# Altium PCB Kame_FMU.PcbDoc (part 2 of 2)
Units mm, origin at the board's own origin, x right, y up, seen from the top; angles counter-clockwise.
Board outline 31 x 31 mm, 6 copper layers (Top, GND2, L3, L4, GND5, Bottom), stack 1.578 mm thick; 102 components, 158 nets, 567 pads, 386 vias.
Unrouted connection lines stored in the file: 87.
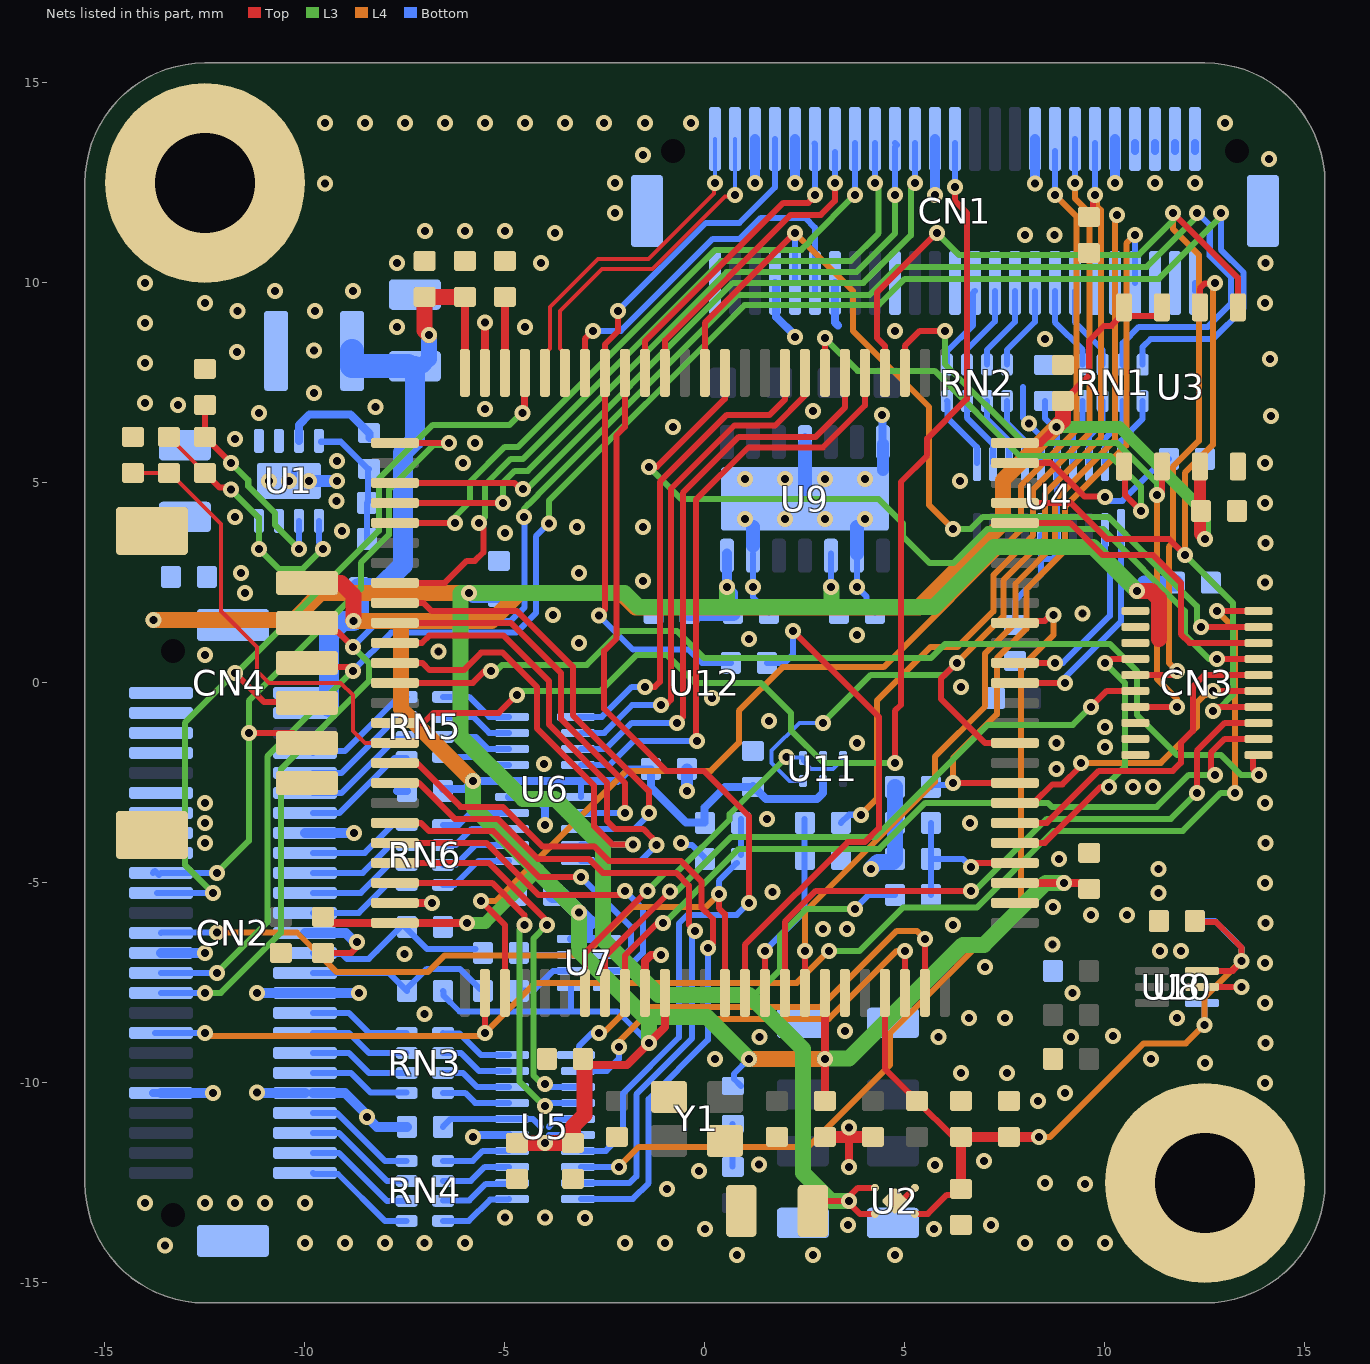
[diagram p6: the nets of this part, all layers, seen from the top]

## Via types
v1: diameter 0.4, hole 0.2, Top to Bottom, tented both sides, 375 vias
v2: diameter 0.4, hole 0.2, Top to Bottom, 11 vias

## Nets (pads, with @x,y where several pads share a name; then routed paths per layer and width w, separated by ;. In a path a pad name is that pad's centre, name@x,y a point inside that pad or via, vN(x,y) a via of type N, cw(c..) or ccw(c..) an arc to the next point about the centre after c; other vN are vias at no path point) (continued)
GND: C1.1 C2.1 C3.2 C4.1 C6.2 C7.2 C8.1 C9.1 C10.1 C11.1 C12.1 C13.1 C14.1 C15.2 C16.1 C17.1 C18.1 C19.1 C20.1 C21.1 C22.1 C23.1 C24.1 C25.1 C26.1 C27.1 C28.2 C29.2 C30.2 C31.2 C32.2 C33.2 C34.2 C35.2 C36.1 C37.2 C38.1 C39.1 C40.2 C41.2 C42.2 C43.2 C44.1 CN1.1 CN1.2 CN1.3 CN1.4 CN1.5 CN1.6 CN1.7 CN1.9 CN1.12 CN1.17 CN1.26 CN1.27 CN1.32 CN1.38 CN1.41 CN1.44 CN1.45 CN1.50 CN1.MP1 CN1.MP2 CN2.11 CN2.13 CN2.15 CN2.16 CN2.17 CN2.26 CN2.27 CN2.32 CN2.41 CN2.42 CN2.MP1 CN2.MP2 CN3.15 CN3.17 CN3.19 CN4.6 CN4.MP1 CN4.MP2 PTH1.1 PTH2.1 R3.1 R10.1 R15.1 R17.2 R22.1 R25.1 R27.1 R28.1 R29.1 R30.2 RJ1.2 U1.1 U1.9 U2.2 U2.5 U3.4 U4.15 U5.15 U6.15 U7.4 U8.5 U9.2 U9.6 U9.11 U9.14 U9.15 U10.5 U11.2 U12.10 U12.20 U12.27 U12.74 U12.99 Y1.2 Y1.4 | length 48.7
  Top w0.15: C30.2@-9.55,-6.75 -8.837,-6.75 -8.6,-6.513 v1@-8.6,-6.475 ; U12.10@-1.5,-7.75 U12.10@-1.5,-7.275 ; Y1.4@-0.9,-10.35 Y1.4@-0.616,-10.634 ; Y1.2@0.125,-11.125 0.45,-11.45 Y1.2@0.5,-11.45 ; U2.5@4.75,-12.95 4.925,-12.95 U2.2@5.25,-12.625 ; U8.5@12.485,-7.6 v1(13.41,-7.6)
  Top w0.2: U12.99@-7.75,-5.5 v1(-6.824,-5.5) ; U12.74@-5.5,7.75 -5.497,7.753 -5.497,9.013 v1(-5.494,9.016) ; U12.10@-1.5,-7.75 -1.5,-6.95 -1.35,-6.8 v1(-1.1,-6.8) ; v1(3.6,-12.1) 3.6,-11.35 v1(3.6,-11.11)
  Top w0.3: C33.2@3,-11.35 3.6,-11.35 C36.1@4.2,-11.35
  Bottom w0.15: v2(-10.4,5.05) -10.276,5.174 U1.9@-10.276,5.274 ; U1.9@-9.887,5.05 -9.875,5.062 U1.9@-9.875,5.176 ; v1(-0.6,-4) -0.552,-4.048 -0.327,-4.048 0,-4.375 C44.1@0,-4.4 ; U9.6@1.2,3.23 U9.6@1.2,3.18 v1@1.2,2.432 ; C20.1@1.6,1.75 1.201,2.149 v1@1.201,2.431 ; U9.11@2.5,5.97 U9.11@2.5,6.17 ; v1(3.8,2.4) 4.034,2.166 4.034,1.966 C19.1@4.25,1.75 ; v1@3.8,2.469 U9.2@3.8,3.23 ; 7.95,7.4 7.95,6.622 8.4,6.172 U4.15@8.4,5.5 ; CN1.2@12.25,9.8 CN1.2@12.25,10 ; U10.5@12.485,-7.6 v1(13.41,-7.6) ; v1@1.2,2.432 v1@1.201,2.431 ; v1@1.2,2.432 1.2,2.41 1.201,2.409 v1@1.201,2.431
  Bottom w0.2: CN2.41@-13.8,-10.25 CN2.41@-13.6,-10.25 ; v1(-8.775,-3.75) -8.75,-3.75 v1@-8.746,-3.746 ; v1@-8.754,-6.475 v1(-8.7,-6.475) ; v1@-8.654,-6.475 v1@-8.6,-6.475 ; C14.1@-7.7,-2.7 C14.1@-7.45,-2.7 ; v1(-5.8,-11.355) -5.746,-11.355 -5.691,-11.3 U5.15@-4.9,-11.3 ; U6.15@-4.9,-2.85 -4.259,-2.85 -4,-3.109 v1@-4,-3.45 ; CN1.44@1.75,10 1.78,9.97 1.78,9.152 2.25,8.682 v1(2.25,8.65) ; CN1.38@3.25,10 3.25,9.014 3.325,8.939 ; v1(4.433,6.7) 4.441,6.691 4.441,5.979 U9.14@4.45,5.97 ; CN1.9@10.25,13.3 CN1.9@10.25,13.5 ; CN1.7@10.75,13.3 CN1.7@10.75,13.5 ; CN1.5@11.25,13.3 CN1.5@11.25,13.5 ; CN1.3@11.75,13.3 CN1.3@11.75,13.5 ; CN1.1@12.25,13.3 CN1.1@12.25,13.5
  Bottom w0.25: CN2.41@-13.6,-10.25 v1(-12.3,-10.25) ; CN2.27@-13.6,-6.75 v1(-12.5,-6.75) ; v1(-11.2,-10.245) -11.197,-10.247 -10.003,-10.247 CN2.42@-10,-10.25 ; v1(-11.2,-7.75) CN2.32@-10,-7.75 v1(-8.654,-7.75) ; CN2.26@-10,-6.25 -8.979,-6.25 v1@-8.754,-6.475 ; CN2.16@-10,-3.75 v1(-8.775,-3.75) ; CN2.42@-9.8,-10.25 -9,-10.25 -8.45,-10.8 v1(-8.45,-10.85) -8.2,-11.1 C13.1@-7.45,-11.1 ; v1(1.25,12.5) CN1.45@1.25,13.6 ; v1(2.25,12.5) CN1.41@2.25,13.6 ; v1(5.75,12.2) CN1.27@5.75,13.6 ; v1(8.25,12.482) CN1.17@8.25,13.6 ; v1(10.25,12.5) CN1.9@10.25,13.6
  Bottom w0.3: U1.9@-9.887,5.05 v1(-9.2,5.05) ; v1@-0.467,-2.667 -0.463,-2.667 -0.45,-2.654 C15.2@-0.45,-2.167 ; U9.15@4.45,5.32 U9.14@4.45,5.97
  Bottom w0.35: U9.6@1.2,3.43 U9.15@1.2,3.899 ; U9.15@2.5,4.8 U9.11@2.5,5.97 ; U9.2@3.8,3.23 U9.15@3.8,3.9
  Bottom w0.4: v1(4.15,-4.65) 4.325,-4.475 4.7,-4.475 4.75,-4.425 R22.1@4.75,-4.4 C39.1@4.75,-3.5 R30.2@4.75,-2.6
  other v1: 0.8,-14.3 2.7,-14.3 4.75,-14.3 -13.5,-14.062 -10,-14 -9,-14 -8,-14 -7.006,-14 -6,-14 -2,-14 -1,-14 8,-14 9,-14 10,-14 0,-13.65 5.728,-13.65 3.576,-13.55 7.15,-13.55 -3,-13.375 -5,-13.363 -4,-13.363 -14,-13.005 -12.494,-13.005 -11.75,-13.005 -11,-13.005 -10,-13.005 -0.95,-12.65 9.5,-12.525 8.5,-12.5 -0.15,-12.2 1.347,-12.034 5.75,-12.05 6.976,-11.95 8.332,-10.45 9,-10.25 14,-10 6.4,-9.75 7.55,-9.75 12.5,-9.5 0.248,-9.4 11.15,-9.4 14.01,-9 1.36,-8.849 5.834,-8.849 9.15,-8.849 10.2,-8.828 3.5,-8.7 6.602,-8.379 7.5,-8.379 11.8,-8.379 -7.006,-8.275 14,-8 9.195,-7.75 7.002,-7.1 14,-7 -7.508,-6.779 11.375,-6.698 11.905,-6.7 8.695,-6.541 2.95,-6.15 3.55,-6.15 6.2,-6.049 14.01,-6 9.65,-5.8 10.55,-5.8 8.7,-5.6 11.338,-5.25 1.688,-5.232 14,-5 11.338,-4.65 8.85,-4.4 -12.5,-4 14.01,-4 -4,-3.55 -12.5,-3.5 6.633,-3.5 1.55,-3.4 -12.5,-3 14,-3 -0.45,-2.7 10.7,-2.6 11.2,-2.6 8.785,-2.156 -4.017,-2.028 10,-1.6 3.8,-1.5 8.785,-1.5 10,-1.1 1.6,-0.95 0.18,-0.383 6.4,-0.1 -12.494,0.7 -6.66,0.784 -3.15,1 1.1,1.095 3.8,1.2 -3.8,1.7 9.445,1.734 -11.5,2.25 1.2,2.4 14,2.505 -1.55,2.55 -11.6,2.75 -3.15,2.75 14.01,3.5 -5,3.742 -9.071,3.798 -3.2,3.9 -1.55,3.9 -11.75,4.15 14,4.5 -9.211,4.55 6.372,5.049 -6.05,5.502 14,5.5 -9.2,5.55 -5.748,6 -11.75,6.1 -0.8,6.4 8.107,6.488 14.15,6.677 -11.15,6.75 2.7,6.8 -5.501,6.85 -8.238,6.897 -13.176,6.95 -14,7 -9.773,7.25 -14,8 14.133,8.1 -11.7,8.268 -9.773,8.305 8.5,8.6 4.75,8.8 -7.7,8.9 -4.5,8.9 -14,9 -11.683,9.3 -9.746,9.3 -12.5,9.5 14,9.5 -10.75,9.8 -8.8,9.8 -14,10 -7.7,10.5 -4.1,10.5 14.01,10.5 8,11.2 8.744,11.2 -3.746,11.25 -7,11.3 -6,11.3 -5,11.3 -2.25,11.75 -9.5,12.482 -2.25,12.5 11.25,12.5 12.25,12.5 14.1,13.1 -1.55,13.2 -9.5,14 -8.5,14 -7.5,14 -6.5,14 -5.494,14 -4.5,14 -3.5,14 -2.517,14 -1.5,14 -0.35,14 13,14
  other v2: 1,4.1 2,4.1 3,4.1 4,4.1 -10.9,5.05 -9.9,5.05 1,5.1 2,5.1 3,5.1 4,5.1
GPIO1: CN1.25 U12.90 | length 31
  Top w0.15: U12.90@-7.75,-1 -7.034,-1 -6.784,-0.75 -5.15,-0.75 v1(-4.7,-0.3) ; v1(4.75,-2) 4.75,-0.7 4.898,-0.552 4.898,5.024 5.556,5.681 5.556,6.106 6.55,7.1 6.55,11.75 6.25,12.05
  Top w0.152: 6.25,12.05 v1(6.25,12.4)
  L3 w0.15: v1(-4.7,-0.3) -4.6,-0.2 -2.6,-0.2 -1.7,0.7 -0.95,0.7 -0.25,0 1.4,0 2.15,-0.75 2.15,-1.184 2.966,-2 v1(4.75,-2)
  Bottom w0.15: v1(4.75,-2) v1@4.8,-1.95
  Bottom w0.152: v1(6.25,12.4) 6.25,12.5 CN1.25@6.25,13.5
GPIO2: CN1.40 U12.69 | length 9.5
  Top w0.15: U12.69@-3,7.75 -3,8.6 v1(-2.8,8.8)
  Bottom w0.15: v1(-2.8,8.8) -2.104,8.8 0.196,11.1 0.876,11.1 1.401,11.625 2.505,11.625 2.75,11.38 CN1.40@2.75,10 CN1.40@2.75,9.8
I2C_SCL: U7.2 U12.95 | length 8.2
  Top w0.15: U12.95@-7.75,-3.5 -7.1,-3.5 -6.9,-3.7 -5.3,-3.7 -4.15,-4.85 v1(-3.1,-4.85)
  Bottom w0.15: v1(-3.1,-4.85) -1.85,-6.1 -1.85,-6.65 -2,-6.8 U7.2@-2.45,-6.8
I2C_SCL_MB: CN2.28 R5.2 R7.2 | length 4.8
  Bottom w0.15: CN2.28@-9.8,-6.75 -9.771,-6.779 -9.071,-6.779 -8.95,-6.9 -8.402,-6.9 -8.202,-6.7 -7.551,-6.049 R5.2@-7.45,-6.15 ; R5.2@-7.45,-6.1 R5.2@-7.45,-6.15 ; R7.2@-5.73,-6.65 -6.95,-6.65 R5.2@-7.45,-6.15
I2C_SDA: U7.3 U12.96 | length 9.2
  Top w0.15: U12.96@-7.75,-4 -5.463,-4 -4.163,-5.3 -2.1,-5.3 v1(-2,-5.2)
  Bottom w0.15: U7.3@-2.45,-7.2 -2,-7.2 -1.55,-6.75 -1.55,-5.65 v1(-2,-5.2)
I2C_SDA_MB: CN2.30 R6.1 R8.2 | length 4.9
  Bottom w0.15: CN2.30@-9.8,-7.25 -7.9,-7.25 -7.45,-7.7 -7.45,-7.65 -6.95,-7.15 -6.125,-7.15 -5.625,-7.65 R8.2@-5.555,-7.65
ICM_INT#: CN3.11 U12.8 | length 17.1
  Top w0.15: U12.8@-2.5,-7.75 -2.5,-6.842 v1(-0.874,-5.216) ; v1(9.65,-0.6) 10.05,-0.2 CN3.11@10.98,-0.2
  L3 w0.15: v1(-0.874,-5.216) -0.712,-5.216 0.654,-3.85 4.267,-3.85 7.067,-1.05 9.2,-1.05 v1(9.65,-0.6)
IMU_HEAT_CTL: CN1.42 CN3.4 U12.63 | length 23.7
  Top w0.15: U12.63@0,7.75 0,9 v1(2.25,11.25) ; v1@12.3,1.4 v1(12.4,1.4) CN3.4@13.62,1.4
  L3 w0.15: v1(6.2,3.85) 6.65,3.85 6.95,4.15 10.084,4.15 11,3.234 11,3.222 12.3,1.922 v1@12.3,1.4
  L4 w0.15: v1(2.25,11.25) 3.7,9.8 3.7,8.804 5.607,6.897 5.607,4.443 v1(6.2,3.85)
  Bottom w0.15: CN1.42@2.25,10 2.25,10.008 v1(2.25,11.25)
MB_ESC_M1: CN1.14 RN1.6 | length 2.1
  Bottom w0.15: CN1.14@9.25,9.8 9.25,9.018 9.945,8.323 RN1.6@9.945,7.955
MB_ESC_M2: CN1.16 RN1.5 | length 2.1
  Bottom w0.15: CN1.16@8.75,9.8 8.75,9.02 9.445,8.325 RN1.5@9.445,7.955
MB_ESC_M3: CN1.18 RN2.8 | length 2.1
  Bottom w0.15: RN2.8@7.55,7.955 7.55,8.322 8.25,9.022 CN1.18@8.25,9.8
MB_ESC_M4: CN1.20 RN2.7 | length 2.1
  Bottom w0.15: RN2.7@7.05,7.955 7.05,8.322 7.75,9.022 CN1.20@7.75,9.8
MB_ESC_M5: CN1.22 RN2.6 | length 2.1
  Bottom w0.15: RN2.6@6.55,7.955 6.55,8.336 7.25,9.036 CN1.22@7.25,9.8
MB_ESC_M6: CN1.24 RN2.5 | length 2.1
  Bottom w0.15: RN2.5@6.05,7.955 6.05,8.285 6.696,8.931 6.696,9.746 CN1.24@6.75,9.8
MPU_INT#: CN3.8 U12.62 | length 21.5
  Top w0.15: v1(-1.4,5.4) -1.4,5.3 -1.3,5.4 -1.2,5.4 0.5,7.1 U12.62@0.5,7.6 ; v1(12.8,0.6) CN3.8@13.62,0.6
  L3 w0.15: v1(-1.4,5.4) -0.594,4.594 4.341,4.594 4.946,3.989 4.946,3.663 5.61,3 6.22,3 7.07,3.85 9.948,3.85 12,1.798 12,1.2 12.6,0.6 v1(12.8,0.6)
NetD1_1: D1.1 R18.2 | length 1.1
  Bottom w0.15: R18.2@0.692,-12.095 D1.1@0.692,-11.025
NetR1_2: R1.2 R3.2 U1.6 | length 5.4
  Top w0.152: R1.2@-12.605,6.155 -12.503,6.155 R1.2@-12.5,6.152 ; R1.2@-12.5,6.15 R1.2@-12.5,6.152 ; R3.2@-12.5,6.95 R1.2@-12.5,6.152 ; v1(-11.85,5.502) R1.2@-12.5,6.152
  L3 w0.152: v1(-11.85,5.502) -11.417,5.069 -11.417,4.917 -10.75,4.25 -10.75,3.95 v1(-10.15,3.35)
  Bottom w0.152: v1(-10.15,3.35) -10.15,4.047 -10.152,4.048 U1.6@-10.15,4.05
NetR7_1: R7.1 U7.7 | length 1.3
  Bottom w0.15: R7.1@-4.65,-6.75 -4.6,-6.8 U7.7@-3.35,-6.8
NetR8_1: R8.1 U7.6 | length 1.5
  Bottom w0.15: R8.1@-4.645,-7.695 -4.289,-7.695 -3.794,-7.2 U7.6@-3.35,-7.2
NetRN1_1: RN1.1 U4.20 | length 1.4
  Bottom w0.15: U4.20@10.4,5.5 U4.20@10.417,5.517 ; 10.4,5.9 10.404,5.904 10.404,6.059 10.945,6.6 RN1.1@10.945,7.045
NetRN1_2: RN1.2 U4.19 | length 1.7
  Bottom w0.15: U4.19@10,5.5 10,6.1 10.445,6.545 RN1.2@10.445,7.045
NetRN1_3: RN1.3 U4.18 | length 1.7
  Bottom w0.15: U4.18@9.6,5.5 9.6,6.15 9.945,6.495 RN1.3@9.945,7.045
NetRN1_4: RN1.4 U4.17 | length 1.6
  Bottom w0.15: U4.17@9.2,5.5 9.2,6.25 9.445,6.495 RN1.4@9.445,7.045
NetRN2_1: RN2.1 U4.14 | length 1.7
  Bottom w0.15: RN2.1@7.55,7.045 7.55,6.5 8,6.05 U4.14@8,5.5
NetRN2_2: RN2.2 U4.13 | length 1.8
  Bottom w0.15: RN2.2@7.05,7.045 7.05,6.6 7.6,6.05 U4.13@7.6,5.5
NetRN2_3: RN2.3 U4.12 | length 1.8
  Bottom w0.15: RN2.3@6.55,7.045 6.55,6.631 7.2,5.981 U4.12@7.2,5.5
NetRN2_4: RN2.4 U4.11 | length 1.9
  Bottom w0.15: RN2.4@6.05,7.045 6.06,7.035 6.06,6.633 6.8,5.893 U4.11@6.8,5.5
NetRN3_1: RN3.1 U5.20 | length 1.9
  Bottom w0.15: RN3.1@-6.545,-8.75 -6.528,-8.767 -6.133,-8.767 -5.6,-9.3 U5.20@-4.9,-9.3
NetRN3_2: RN3.2 U5.19 | length 1.8
  Bottom w0.15: RN3.2@-6.545,-9.25 -6.1,-9.25 -5.65,-9.7 U5.19@-4.9,-9.7
NetRN3_3: RN3.3 U5.18 | length 1.8
  Bottom w0.15: RN3.3@-6.545,-9.75 -6.05,-9.75 -5.7,-10.1 U5.18@-4.9,-10.1
NetRN3_4: RN3.4 U5.17 | length 1.7
  Bottom w0.15: RN3.4@-6.545,-10.25 -5.995,-10.25 -5.745,-10.5 U5.17@-4.9,-10.5
NetRN4_1: RN4.1 U5.14 | length 1.7
  Bottom w0.15: RN4.1@-6.545,-11.95 -5.8,-11.95 -5.55,-11.7 U5.14@-4.9,-11.7
NetRN4_2: RN4.2 U5.13 | length 1.8
  Bottom w0.15: RN4.2@-6.545,-12.45 -5.85,-12.45 -5.5,-12.1 U5.13@-4.9,-12.1
NetRN4_3: RN4.3 U5.12 | length 1.8
  Bottom w0.15: RN4.3@-6.545,-12.938 -5.888,-12.938 -5.475,-12.525 -4.925,-12.525 U5.12@-4.9,-12.5
NetRN4_4: RN4.4 U5.11 | length 1.9
  Bottom w0.15: RN4.4@-6.545,-13.45 -5.9,-13.45 -5.369,-12.919 -4.919,-12.919 U5.11@-4.9,-12.9
NetRN5_1: RN5.1 U6.20 | length 1.9
  Bottom w0.15: RN5.1@-6.545,-0.35 -5.892,-0.35 -5.392,-0.85 U6.20@-4.9,-0.85
NetRN5_2: RN5.2 U6.19 | length 1.8
  Bottom w0.15: RN5.2@-6.528,-0.85 -5.795,-0.85 -5.395,-1.25 U6.19@-4.9,-1.25
NetRN5_3: RN5.3 U6.18 | length 1.6
  Bottom w0.15: RN5.3@-6.345,-1.35 -5.725,-1.35 -5.425,-1.65 U6.18@-4.9,-1.65
NetRN5_4: RN5.4 U6.17 | length 1.7
  Bottom w0.15: RN5.4@-6.545,-1.85 -5.679,-1.85 -5.479,-2.05 U6.17@-4.9,-2.05
NetRN6_1: RN6.1 U6.14 | length 1.8
  Bottom w0.15: RN6.1@-6.545,-3.55 -6.152,-3.55 -5.852,-3.25 U6.14@-4.9,-3.25
NetRN6_2: RN6.2 U6.13 | length 1.8
  Bottom w0.15: RN6.2@-6.545,-4.05 -6.225,-4.05 -5.825,-3.65 U6.13@-4.9,-3.65
NetRN6_3: RN6.3 U6.12 | length 1.9
  Bottom w0.15: RN6.3@-6.545,-4.55 -6.233,-4.55 -5.733,-4.05 U6.12@-4.9,-4.05
NetRN6_4: RN6.4 U6.11 | length 1.9
  Bottom w0.15: RN6.4@-6.545,-5.05 -6.26,-5.05 -5.66,-4.45 U6.11@-4.9,-4.45
RC_INPUT: CN1.11 R17.1 U11.6 U12.35 | length 25.3
  Top w0.15: v1(6.3,0.5) 5.9,0.1 5.9,-0.4 7,-1.5 U12.35@7.75,-1.5 ; R17.1@9.6,11.65 9.702,11.752 9.702,12.152 v1(9.75,12.2)
  L3 w0.15: v1(2.95,-1) 4.15,0.2 6,0.2 v1(6.3,0.5)
  L4 w0.15: v1(6.3,0.5) 7.462,1.662 7.462,2.562 8.497,3.597 8.497,4.726 9.901,6.13 9.901,11.817 9.798,11.921 9.798,12.152 v1(9.75,12.2)
  Bottom w0.1: U11.6@2.45,-2.45 2.114,-2.45 1.67,-2.005 1.67,-1.695 2.364,-1 v1(2.95,-1)
  Bottom w0.15: v1@9.75,12.25 CN1.11@9.75,13.5
RC_PWR3_ON#: CN1.15 U12.3 | length 30.6
  Top w0.15: v1(-5.6,-5.45) -5,-6.05 U12.3@-5,-7.75
  L4 w0.15: v1(-5.6,-5.45) -5.213,-5.45 -1.963,-2.2 0.148,-2.2 0.85,-1.498 0.85,-0.7 1.942,0.392 4.47,0.392 7.9,3.823 7.9,4.934 9.293,6.327 9.293,11.657 v1(8.75,12.2)
  Bottom w0.15: v1(8.75,12.2) 8.75,12.25 CN1.15@8.75,13.3
RSSI_IN: CN1.13 R26.2 | length 20.5
  L4 w0.152: v1(3.9,-3.3) 4.3,-2.9 4.3,-0.44 5.64,0.9 6.319,0.9 7.211,1.791 7.211,2.694 8.2,3.684 8.2,4.833 9.613,6.246 9.613,11.75 9.25,12.113 9.25,12.45 v1@9.2,12.4
  Bottom w0.152: R26.2@3.4,-3.5 3.604,-3.296 3.9,-3.296 v1@3.848,-3.347 ; v1(9.25,12.5) CN1.13@9.25,13.6
RSSI_IN_R: R26.1 R27.2 U12.16 | length 4.8
  Top w0.15: U12.16@1.5,-7.75 v1(1.5,-6.7)
  Bottom w0.15: v1(1.5,-6.7) 2.495,-5.705 2.495,-4.5 2.495,-4.1 R26.1@2.495,-3.4
RST#: C44.2 CN2.25 R19.1 U12.14 | length 19.6
  Top w0.15: v1(0.35,-5.278) 0.35,-5.633 0.5,-5.783 U12.14@0.5,-7.75
  L4 w0.15: v1(-12.195,-6.24) -10.197,-6.24 -9.207,-7.229 -6.928,-7.229 -6.516,-6.817 -3.017,-6.817 -1.8,-5.6 0.028,-5.6 v1(0.35,-5.278)
  Bottom w0.15: CN2.25@-13.6,-6.25 -13.59,-6.24 v1(-12.195,-6.24) ; v1(0.35,-5.278) 0.35,-4.95 C44.2@0.8,-4.5 ; C44.2@0.9,-4.3 R19.1@0.9,-3.5 R19.1@0.9,-3.4
S_AGND: R4.1 RJ1.1 U1.3 | length 2.6
  Bottom w0.2: U1.3@-10.15,6.05 -10.15,6.45 -9.892,6.708 -8.858,6.708 -8.383,6.233 R4.1@-8.383,6.119
SBUS_INV: U11.1 U11.3 U12.7 | length 9.9
  Top w0.15: U12.7@-3,-7.75 -3,-6.763 v1(-1.437,-5.2)
  L3 w0.15: v1(-1.437,-5.2) -0.987,-4.75 -0.713,-4.75 0.614,-3.423 0.614,-3.281 2.002,-1.893 v1@2.087,-1.893
  Bottom w0.1: v1(2.045,-1.85) 2.057,-1.863 2.438,-1.863 U11.1@2.45,-1.875 2.45,-1.95 2.65,-2.15 3.2,-2.15 3.45,-1.9 U11.3@3.45,-1.85
SDIO_CLK: CN1.35 U12.80 | length 16.5
  Top w0.15: U12.80@-7.75,4 v1@-6.4,4
  L3 w0.15: v1@-6.4,4 -6.378,4.022 -5.874,4.526 -5.874,5.026 -5,5.9 -4.669,5.9 0.256,10.825 2.409,10.825 2.629,11.045 2.629,11.079 v1(3.75,12.2)
  Bottom w0.15: v1(3.75,12.2) CN1.35@3.75,13.5
  other v1: -6.25,4
SDIO_CMD: CN1.33 U12.83 | length 19.1
  Top w0.15: U12.83@-7.75,2.5 -6.5,2.5 -5.95,3.05 -5.75,3.05 -5.536,3.264 -5.536,3.873 -5.65,3.987 v1(-5.65,4)
  L3 w0.15: v1(-5.65,4) -5.501,4.149 -5.501,4.949 -4.85,5.6 -4.543,5.6 0.405,10.548 3.648,10.548 4.342,11.242 4.342,12.358 v1@4.25,12.45
  Bottom w0.15: v1@4.25,12.45 v1(4.25,12.5) CN1.33@4.25,13.5
SDIO_D0: CN1.37 U12.65 | length 7.7
  Top w0.15: U12.65@-1,7.75 -0.998,7.752 -0.998,8.556 2.145,11.7 2.9,11.7 3.25,12.05 v1@3.25,12.45
  Bottom w0.15: v1@3.25,12.45 CN1.37@3.25,13.277
  other v1: 3.25,12.5
SDIO_D1: CN1.39 U12.66 | length 7.9
  Top w0.15: v1(2.75,12.2) 2.75,12.163 2.587,12 1.963,12 -1.5,8.537 U12.66@-1.5,7.776 ; U12.66@-1.5,7.776 -1.513,7.763 U12.66@-1.5,7.75 U12.66@-1.5,7.776
  Bottom w0.15: CN1.39@2.737,13.487 2.75,13.474 v1(2.75,12.2)
SDIO_D2: CN1.29 U12.78 | length 17.9
  Top w0.15: U12.78@-7.75,5 -4.763,5 -4.613,4.85 v1(-4.55,4.85)
  L3 w0.15: v1(-4.55,4.85) -4.508,4.892 -4.408,4.892 0.7,10 3.961,10 5.15,11.189 5.15,12.35 v1@5.25,12.45
  Bottom w0.15: v1@5.25,12.45 v1(5.25,12.5) CN1.29@5.25,13.5
SDIO_D3: CN1.31 U12.79 | length 17.9
  Top w0.15: U12.79@-7.75,4.5 v1(-5.05,4.5)
  L3 w0.15: v1(-5.05,4.5) -5.05,5 -4.75,5.3 -4.428,5.3 0.54,10.269 3.786,10.269 4.75,11.233 v1(4.75,12.2)
  Bottom w0.15: v1(4.75,12.2) 4.75,13.4 4.8,13.45 CN1.31@4.75,13.5
SPI1_CLK: CN3.7 U12.30 | length 7.2
  Top w0.15: U12.30@7.75,-4 8.5,-4 9.9,-2.6 v1(10.1,-2.6) ; v1(10,0.5) 10.068,0.5 10.168,0.6 CN3.7@10.76,0.6
  L3 w0.15: v1(10,0.5) 10.5,0 10.5,-2.1 10.1,-2.5 v1(10.1,-2.6)
SPI1_CS_ICM#: CN3.18 U12.9 | length 19.4
  Top w0.15: U12.9@-2,-7.75 -2,-6.82 -1.18,-6.001 v1@-1.001,-6.001 ; v1(12.75,-2.3) 12.65,-2.2 12.65,-1.75 13,-1.4 CN3.18@13.62,-1.4
  L3 w0.15: v1@-1.026,-6.024 0.848,-4.15 4.36,-4.15 5.51,-3 8.575,-3 8.675,-3.1 11.297,-3.1 12.097,-2.3 v1(12.75,-2.3)
  other v1: -1.05,-6
SPI1_CS_LIS3#: CN3.6 U12.46 | length 7.9
  Top w0.15: U12.46@7.75,4 9.135,4 9.935,3.2 11.2,3.2 11.9,2.5 11.9,1.218 12.118,1 CN3.6@13.62,1
SPI1_CS_MPU#: CN3.16 U12.17 | length 16.1
  Top w0.15: U12.17@2,-7.75 2,-5.975 2.775,-5.2 v1(6.65,-5.2) ; v1(12.3,-2.75) 12.3,-1.7 13,-1 CN3.16@13.62,-1
  L3 w0.15: v1(6.65,-5.2) 6.75,-5.2 8.55,-3.4 11.65,-3.4 v1(12.3,-2.75)
SPI1_MISO: CN3.10 U12.31 | length 8.4
  Top w0.15: U12.31@7.75,-3.5 8.55,-3.5 9.85,-2.2 11.7,-2.2 11.9,-2 11.9,-1.5 12.2,-1.2 12.2,-0.1 12.5,0.2 CN3.10@13.7,0.2
SPI1_MOSI: CN3.12 U12.32 | length 7.6
  Top w0.15: U12.32@7.75,-3 8.225,-3 8.691,-2.534 8.937,-2.534 9.352,-2.119 9.352,-2.048 v1(9.4,-2) ; v1(12.7,-0.2) CN3.12@13.84,-0.2
  L4 w0.15: v1(9.4,-2) 11.4,-2 12.3,-1.1 12.3,-0.5 12.499,-0.301 12.532,-0.301 12.632,-0.2 v1(12.7,-0.2)
SPI2_CLK: CN3.14 U3.6 U12.47 | length 18.3
  Top w0.15: U12.47@7.75,4.5 9.15,4.5 10.05,3.6 11.6,3.6 v1(12,3.2) ; U3.6@12.375,9.39 12.375,9.866 12.494,9.985 v1@12.585,9.985 ; v1(12.7,-0.7) 12.725,-0.7 12.825,-0.6 CN3.14@13.84,-0.6
  L3 w0.15: v1(12,3.2) 13.2,2 13.2,-0.3 v1@12.848,-0.652
  L4 w0.15: v1(12,3.2) 12,5.25 12.7,5.95 12.7,9.95 v1(12.75,10)
SPI2_CS_FRAM#: U3.1 U12.57 | length 12.1
  Top w0.15: U12.57@3,7.75 v1(3,8.618) ; U3.1@10.475,5.41 10.475,5.125 10.5,5.1 10.5,4.7 v1(10.9,4.3)
  L3 w0.15: v1(3,8.618) 3.818,7.8 5.743,7.8 7.872,5.672 10.135,5.672 10.9,4.907 v1@10.9,4.4
SPI2_CS_LPS25#: CN3.20 U12.88 | length 25.2
  Top w0.15: U12.88@-7.75,0 -5.8,0 -5.5,0.3 v1(-5.35,0.3) ; CN3.20@13.62,-1.8 13.7,-1.88 13.7,-2.156 v1(13.85,-2.306)
  L3 w0.15: v1(-5.35,0.3) -5.217,0.3 -5.067,0.45 -2.95,0.45 -2.1,1.3 -0.7,1.3 -0.017,0.617 5.649,0.617 6.007,0.975 10.125,0.975 10.8,0.3 10.8,-0.8 11.8,-1.8 12.9,-1.8 13.406,-2.306 v1(13.85,-2.306)
SPI2_MISO: CN3.13 U3.2 U12.53 | length 16.9
  Top w0.15: U12.53@5,7.75 5,8.425 5.375,8.8 v1(6,8.8) ; CN3.13@10.76,-0.6 v1@11.9,-0.6 ; v1(11.3,4.7) 11.377,4.777 11.425,4.777 U3.2@11.425,5.41
  L3 w0.15: v1(6,8.8) 6,7.972 7.972,6 10.3,6 11.3,5 v1(11.3,4.7)
  L4 w0.15: v1(11.3,4.7) 11.3,0.1 11.8,-0.4 v1(11.8,-0.6)
SPI2_MOSI: CN3.9 U3.5 U12.54 | length 27
  Top w0.15: U12.54@4.5,7.75 4.5,8.425 4.3,8.625 4.3,9.75 v1(5.8,11.25) ; CN3.9@10.76,0.2 v1@11.775,0.2 ; v1(11.7,11.75) 13.325,10.125 U3.5@13.325,9.39
  L3 w0.15: v1(5.8,11.25) 6.35,10.7 10.85,10.7 v1@11.8,11.65
  L4 w0.15: v1@11.7,11.65 11.7,11.35 12.35,10.7 12.35,6.05 11.7,5.4 11.7,3.5 11.6,3.4 11.6,0.5 v1(11.8,0.3) v1@11.8,0.2
SPWR_ON: CN2.35 CN3.2 U12.2 | length 36.3